# Allegro board MB1209_REVD_160617_FAB4.brd
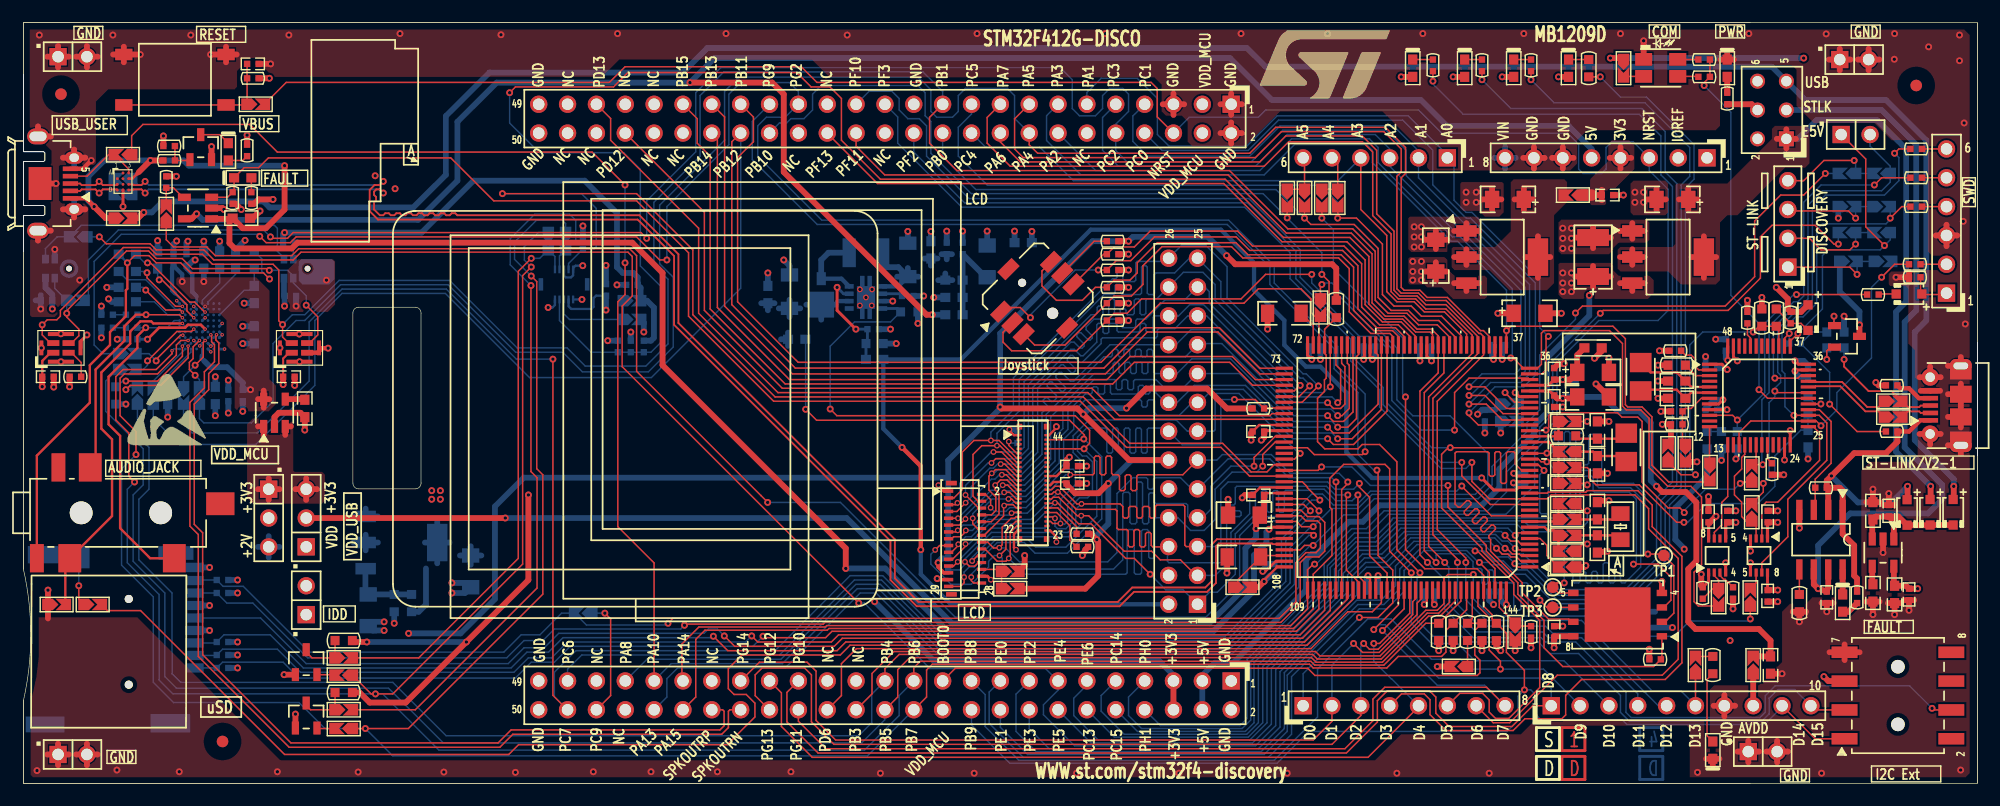
[diagram p0: board, top side]
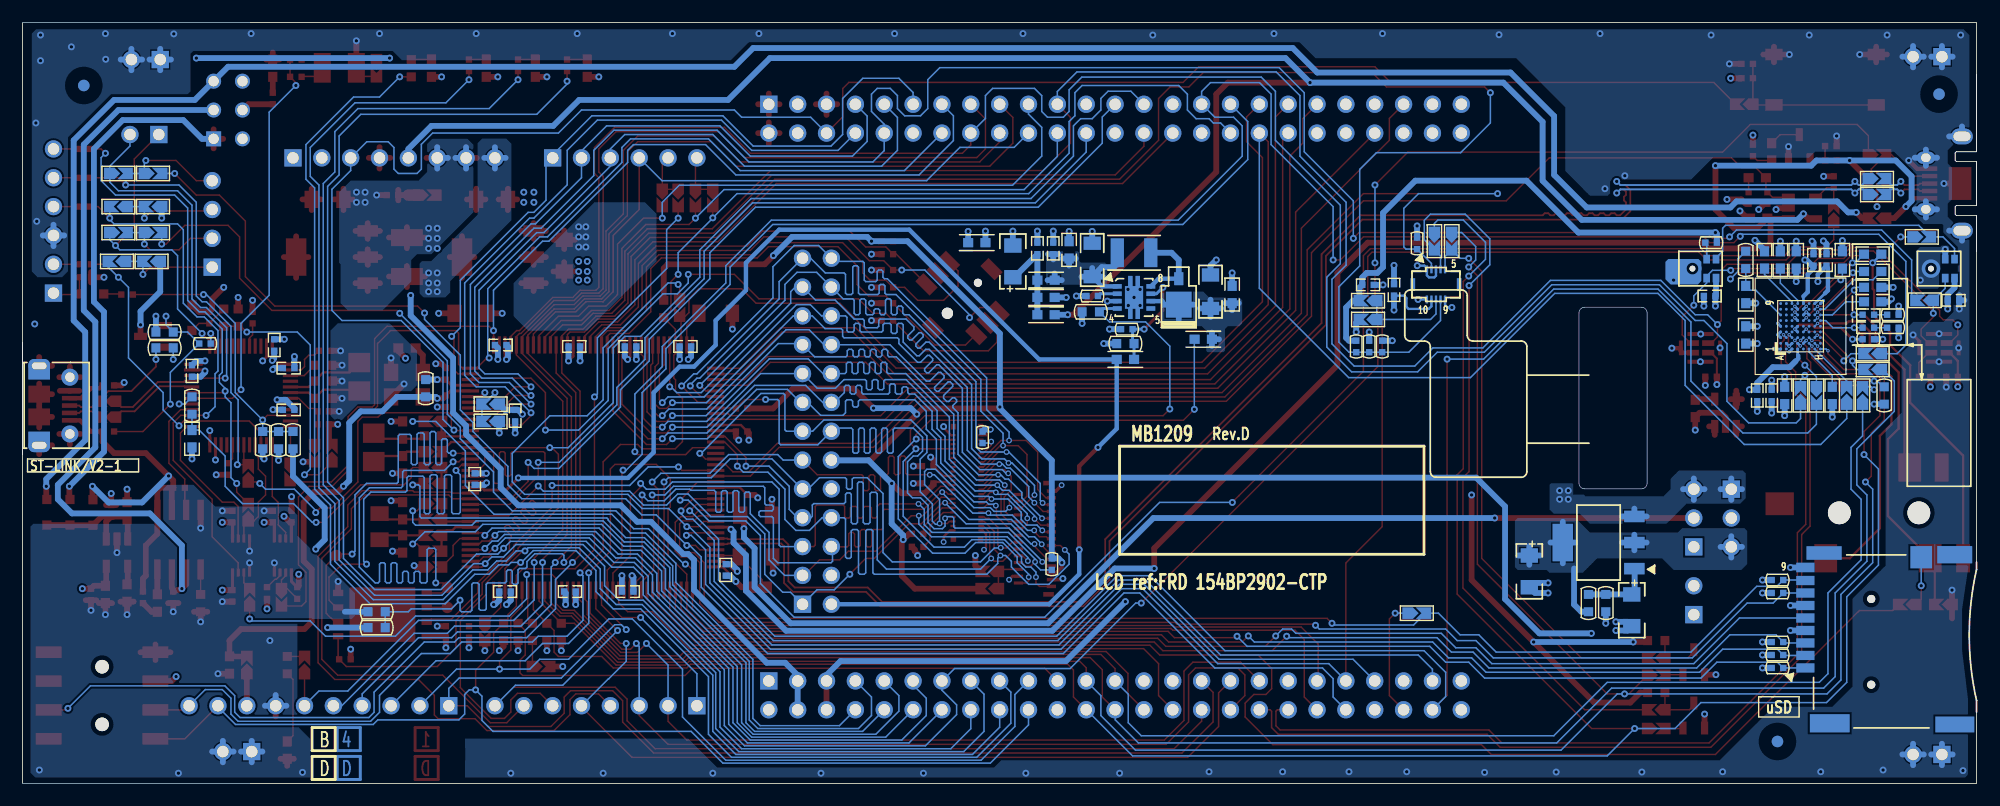
[diagram p1: board, bottom side, seen from below]

Outline 172 x 67 mm; copper layers: TOP, L2_VCC, L3_GND, BOTTOM. Coordinates in mm from the lower left corner of the outline.
Outline path: 0,67 0,55.63 ; 0,67 172,67 ; 0,67 0,55.63 ; 0,67 152,67 ; 0,55.63 1.79,55.63 ; 0,55.63 1.79,55.63 ; 172,67 172,0 ; 172,67 172,0 ; 1.79,55.63 1.89,55.53 ; 1.79,55.63 1.89,55.53 ; 0,54.78 0,50.88 ; 0,54.78 1.79,54.78 ; 0,54.78 0,50.88 ; 0,54.78 1.79,54.78 ; 0,50.88 1.79,50.88 ; 0,50.88 1.79,50.88 ; 1.79,54.78 1.89,54.88 ; 1.79,54.78 1.89,54.88 ; 1.79,50.88 1.89,50.78 ; 1.79,50.88 1.89,50.78 ; 0,50.03 0,46.86 ; 0,50.03 1.79,50.03 ; 0,50.03 0,46.86 ; 0,50.03 1.79,50.03 ; 0,46.86 0,18.85 ; 0,46.86 0,18.85 ; 1.79,50.03 1.89,50.13 ; 1.79,50.03 1.89,50.13 ; 0,18.85 arc(0.64,13.07) 0,7.29 ; 0,7.29 0,0 ; 0,7.29 0,0 ; 0,0 152,0 ; 0,0 172,0 ; 1.89,55.53 1.89,54.88 ; 1.89,55.53 1.89,54.88 ; 1.89,50.78 1.89,50.13 ; 1.89,50.78 1.89,50.13 ; 29,41.43 arc(29.15,41.79) 29.51,41.94 34.49,41.94 arc(34.85,41.79) 35,41.43 35,26.44 arc(34.85,26.08) 34.49,25.94 29.51,25.94 arc(29.15,26.08) 29,26.44 29,41.43

## Design rules (mm)
net group +3V3_ST_LINK: nets NETLD5_4 STM_RST
net group BOOT0: nets BOOT0 NETR68_2
net group MCO: nets MCO NETC69_1
net group MICROAB_N: nets MICROAB_N PA11
net group MICROAB_P: nets MICROAB_P PA12
net group NETC19_1: nets NETC19_1 PH1-OSC_OUT
net group NETC21_1: nets NETC21_1 PH0-OSC_IN
net group NETC23_1: nets NETC23_1 NETR54_2
net group NETC30_1: nets NETC30_1 NETR56_2
net group NETC46_1: nets NETC46_1 NETC46_2
net group NETC52_1: nets NETC52_1 NETC52_2
net group NETC53_1: nets NETC53_1 NETC53_2
net group NETCN3_4: nets NETCN3_4 PA10
net group NETCN4_2: nets NETCN4_2 T_JTCK
net group NETCN4_4: nets NETCN4_4 T_JTMS
net group NETCN4_5: nets NETCN4_5 T_NRST
net group NETCN4_6: nets NETCN4_6 T_SWO
net group NETCN6_2: nets NETCN6_2 STL_USB_DM
net group NETCN13_10: nets NETCN13_10 PD3
net group NETD3_2: nets NETD3_2 NETR33_1
net group NETLD1_2: nets NETLD1_2 PE0
net group NETLD2_2: nets NETLD2_2 PE1
net group NETLD3_2: nets NETLD3_2 PE2
net group NETLD4_2: nets NETLD4_2 PE3
net group NETLD9_1: nets NETLD9_1 NETR73_1
net group NETR16_2: nets NETR16_2 PG8
net group NETR58_2: nets NETR58_2 PA2
net group NETR86_1: nets NETR86_1 PG2
net group NETR88_1: nets NETR88_1 PB5
net group NETR93_1: nets NETR93_1 PA4
net group NETR94_2: nets NETR94_2 PC7
net group NETR95_1: nets NETR95_1 PB12
net group NETR96_1: nets NETR96_1 PB4
net group PA3: nets PA3 STLINK_TX
net group SPKOUTR: nets SPKOUTRN SPKOUTRP
net group +2V: nets NETC84_1
net group +5V: nets NETLD6_1
net group BLGND: nets LEDK NETL7_2 NETR47_1
net group LED_STLINK: nets LED_STLINK NETLD5_2 NETLD5_3
net group NETC39_1: nets NETC39_1 NETC39_2 NETC48_2
net group NETCN6_3: nets NETCN6_3 NETR85_2 STL_USB_DP
net group NETCN12_8: nets NETCN12_8 VDDA VREF+
net group NETLD10_1: nets NETLD10_1 NETR42_1 PWR_ENN USB_RENUMN VUSB_ST_LINK
net group NETR10_1: nets NETR10_1 PA9 U5V
net group QSPI: nets PG6

## Placement (name value [footprint] x y rotation side)
B1  TD-0341 [RESET_Black]  [PB10]  13.34 61.98 0 top
B2  MT008-A  [MT-008A]  89.26 42.75 315 top
C1  100nF  [0402C]  20.19 63.37 180 top
C2  100nF  [0402C]  139.45 51.82 0 top
C3  10uF  [TAN-A]  130.68 51.44 0 top
C4  10uF  [TAN-A]  145.16 51.44 0 top
C5  4.7uF  [0603C]  19.18 49.78 0 top
C6  10uF  [TAN-A]  124.33 46.48 270 top
C7  10uF(25V)  [TAN-B]  138.18 46.35 90 top
C8  2.2uF  [1206C]  111 41.4 180 top
C9  4.7uF  [TAN-A]  132.59 41.4 180 top
C10  1uF  [TAN-A]  138.18 36.2 180 top
C11  100nF  [0402C]  134.75 36.07 270 top
C12  100nF  [0402C]  2.16 35.81 0 top
C13  100nF  [0402C]  23.37 35.81 0 top
C14  10pF  [0603C]  145.54 35.43 180 top
C15  1uF  [TAN-A]  138.18 34.04 180 top
C16  10pF  [0603C]  145.54 33.91 180 top
C17  100nF  [0402C]  134.75 33.66 90 top
C18  100nF  [0402C]  145.54 32.77 0 top
C19  8.2pF  [0603C]  138.56 31.11 90 top
C20  100nF  [0402C]  108.71 30.99 180 top
C21  8.2pF  [0603C]  138.56 28.07 270 top
C22  100nF  [0402C]  108.71 25.4 0 top
C23  1.5pF  [0603C]  138.56 24 90 top
C24  1uF  [0603C]  162.81 24 270 top
C25  100nF  [0402C]  164.21 24 270 top
C26  1uF  [TAN-A]  107.44 23.62 0 top
C27  100nF  [0402C]  148.34 23.5 90 top
C28  100nF  [0402C]  149.99 23.5 90 top
C29  100nF  [0402C]  153.54 23.5 90 top
C30  1.5pF  [0603C]  138.56 21.08 270 top
C31  2.2uF  [1206C]  107.44 19.94 180 top
C32  100nF  [0402C]  158.75 16.38 90 top
C33  10nF  [0603C]  24.77 33.02 90 top
C34  1uF  [0603C]  164.72 16.64 270 top
C35  100nF  [0402C]  165.99 16.64 90 top
C36  100nF  [0402C]  153.54 16.51 90 top
C37  100nF  [0402C]  134.75 13.34 90 top
C38  [N_A]  [0603C]  153.8 10.41 90 top
C39  1uF  [0603C]  9.14 46.61 180 bottom
C40  4.7uF  [0603C]  18.67 46.1 270 bottom
C41  4.7uF  [0603C]  17.27 46.1 90 bottom
C42  4.7uF  [0603C]  15.88 46.1 90 bottom
C43  100nF  [0402C]  14.35 46.1 90 bottom
C44  100nF  [0402C]  13.21 46.1 90 bottom
C45  1uF  [0603C]  11.81 46.1 90 bottom
C46  2.2uF  [0603C]  9.14 45.09 0 bottom
C47  2.2uF  [0603C]  9.14 43.69 180 bottom
C48  4.7uF  [0603C]  20.32 43.05 90 bottom
C49  100nF  [0402C]  23.5 42.93 0 bottom
C50  100nF  [0402C]  2.03 42.55 180 bottom
C51  2.2uF  [0603C]  9.14 42.42 180 bottom
C52  100nF  [0402C]  9.53 41.27 180 bottom
C53  100nF  [0402C]  9.53 40.13 180 bottom
C54  4.7uF  [0603C]  20.32 39.5 90 bottom
C55  10uF  [TAN-A]  39.37 18.67 90 bottom
C56  100nF  [0402C]  149.86 38.61 270 bottom
C57  100nF  [0402C]  129.92 38.61 0 bottom
C58  100nF  [0402C]  123.44 38.48 0 bottom
C59  100nF  [0402C]  118.49 38.48 0 bottom
C60  100nF  [0402C]  113.67 38.48 0 bottom
C61  100nF  [0402C]  148.59 36.58 0 bottom
C62  100nF  [0402C]  157.1 36.32 90 bottom
C63  100nF  [0402C]  19.3 34.16 270 bottom
C64  100nF  [0402C]  18.03 34.16 270 bottom
C65  1uF  [0603C]  16.89 34.16 270 bottom
C66  1uF  [0603C]  12.7 34.16 270 bottom
C67  100nF  [0402C]  148.59 32.89 0 bottom
C68  100nF  [0402C]  128.65 32.38 270 bottom
C69  [N_A]  [0603C]  157.1 30.35 270 bottom
C70  100nF  [0402C]  92.33 27.94 0 top
C71  100nF  [0402C]  132.21 26.8 270 bottom
C72  100nF  [0402C]  92.33 26.42 0 top
C73  100nF  [0402C]  110.11 18.8 90 bottom
C74  100nF  [0402C]  129.54 16.89 180 bottom
C75  100nF  [0402C]  123.83 16.89 180 bottom
C76  100nF  [0402C]  118.75 16.89 180 bottom
C77  4.7uF_50V  [1206C]  67.44 43.31 90 bottom
C78  10nF  [0603C]  79.88 46.99 270 bottom
C79  10nF  [0603C]  65.53 43.05 270 bottom
C80  100nF  [0402C]  51.28 43.46 270 bottom
C81  4.7uF_10V  [1206C]  77.85 46.1 90 bottom
C82  10uF  [TAN-A]  84.84 45.97 270 bottom
C83  100nF  [0402C]  82.68 47.12 90 bottom
C84  10uF  [TAN-A]  30.35 15.24 90 bottom
C85  100nF  [0402C]  81.28 47.12 270 bottom
C86  10nF  [0603C]  162.81 16.76 90 top
C87  100nF  [0402C]  53.57 43.91 0 bottom
CN1  Header 6X1_Female  [HDR_1X6_2R54_W]  125.35 55.09 180 top
CN2  Header 8X1_Female  [HDR_1X8_2R54_W]  148.21 55.09 180 top
CN3  475900001  [MOLEX_47590001]  4.14 52.83 270 top
CN4  Header 6  [HDR_1X6_2R54_W]  169.29 43.18 90 top
CN5  Header 4  [HDR_1X4_2R54_W]  155.32 45.47 90 top
CN6  1050170001  [MICRO_USB_B_105017]  167.95 33.27 90 top
CN7  [N_A]  [HDR_2X13_2R54_W]  103.35 15.77 90 top
CN8  MOLEX 503304-4440  [MOLEX_503304-4440]  88.87 26.47 270 top
CN9  PJ3028B-3  [PJ3028B]  5.08 23.83 0 top
CN10  F206A-2_04MGF-A  [SSM-104-L-DH]  165.01 7.73 270 top
CN11  Header 8X1_Female  [HDR_1X8_2R54_W]  112.65 6.83 0 top
CN12  Header 10X1_Female  [HDR_1X10_2R54_W]  134.49 6.83 0 top
CN13  PJS008-2000  [MSD_PJS008_]  9.27 8.69 90 bottom
CN14  DF37NB-10DS-0.4V (5x)  [DF37NB-10DS-0R4V]  47.59 43.95 0 bottom
CN15  FH26-29S-0.3SHW  [FH26-29S-0R3SHW]  82.89 21.54 270 top
D1  EMIF02-USB03F2  [BGA11_0R5_1R57X2R07]  8.76 53.01 0 top
D2  BAT60JFILM  [SOD-323]  165.99 43.1 180 top
D3  BAT60JFILM  [SOD-323]  157.1 41.02 270 top
D4  BAT60JFILM  [SOD-323]  165.82 23.86 270 top
D5  BAT60JFILM  [SOD-323]  167.84 23.88 270 top
D6  BAT60JFILM  [SOD-323]  169.88 23.88 270 top
JP1  Jumper2  [SIP2]  3.05 64.01 0 top
JP2  Jumper2  [SIP2]  159.89 63.75 0 top
JP3  Header 3X2  [HDR_2X3_2R54]  155.19 56.77 90 top
JP4  [N_A]  [SIP2]  160.02 57.15 0 top
JP5  Jumper3  [SIP3]  21.59 25.91 270 top
JP6  Jumper3  [SIP3]  24.89 20.83 90 top
JP7  Jumper2  [SIP2]  24.89 14.86 90 top
JP8  Jumper2  [SIP2]  151.84 2.79 0 top
JP9  Jumper2  [SIP2]  3.05 2.54 0 top
L1  BEAD  [0603L]  138.18 38.35 180 top
L2  BEAD  [0603L]  68.07 39.12 0 bottom
L3  BEAD  [0603L]  81.92 44.32 180 bottom
L4  BEAD  [0603L]  81.92 41.27 0 bottom
L5  4.7uH(1A)  [1210L]  74.17 46.74 180 bottom
L6  BEAD  [0603L]  88.01 47.62 180 bottom
L7  BEAD  [0603L]  74.93 37.34 180 bottom
L8  BEAD  [0603L]  81.92 42.8 0 bottom
LD1  Green  [0603D]  136.02 62.99 90 top
LD2  Orange  [0603D]  131.19 62.99 90 top
LD3  Red  [0603D]  126.87 62.99 90 top
LD4  Blue  [0603D]  122.3 62.99 90 top
LD5  HSMF-A201-A00J1  [LED2_3528]  144.13 63.02 270 top
LD6  Green  [0603D]  149.99 62.99 90 top
LD7  Green  [0603D]  18.03 55.63 90 top
LD8  Red  [0603D]  19.3 53.34 180 top
LD9  Green  [0603D]  148.72 2.92 270 top
LD10  Red  [0603D]  160.15 15.88 90 top
NOREF  -  []  0 0 0 top
NOREF#2  -  []  125.35 55.09 0 top
NOREF#3  -  []  125.35 55.09 0 top
NOREF#4  -  []  148.21 55.09 0 top
NOREF#5  -  []  112.65 6.83 0 top
NOREF#6  -  []  157.35 6.83 90 top
NOREF#7  -  []  204.83 107.04 0 top
NOREF#8  Value  []  65.02 36.45 0 top
NOREF#9  -  [unnamed#2]  166.62 61.47 0 top
NOREF#10  -  []  106.32 9.02 0 top
NOREF#11  -  [unnamed#2]  17.53 3.68 0 top
NOREF#12  -  []  13.25 -95.16 0 top
NOREF#13  -  []  172 0 90 top
NOREF#14  -  []  0 67 0 top
NOREF#15  -  []  285.34 -119.84 90 top
NOREF#16  -  [unnamed#2]  3.3 60.71 0 top
NOREF#17  -  []  45.36 9.02 90 top
NOREF#18  -  []  8.89 110.11 0 top
NOREF#19  -  []  393.19 -138.3 0 top
NOREF#20  -  []  227 65.33 0 top
NOREF#21  -  []  282.8 -119.84 90 top
NOREF#22  -  []  130.43 6.83 0 top
NOREF#23  -  [unnamed#2]  17.53 3.68 180 bottom
NOREF#24  -  [unnamed#2]  166.62 61.47 180 bottom
NOREF#25  -  [unnamed#2]  3.3 60.71 180 bottom
P1  Header 25X2  [HDR_2X25_2R54_W]  106.32 59.82 180 top
P2  Header 25X2  [HDR_2X25_2R54_W]  106.32 9.02 180 top
R1  100  [0402R]  147.96 63.75 180 top
R2  680  [0402R]  124.08 63.25 90 top
R3  680  [0402R]  128.4 63.25 90 top
R4  680  [0402R]  132.72 63.25 90 top
R5  510  [0603R]  137.79 62.99 90 top
R6  0  [SB_0603]  140.86 62.99 90 top
R7  100  [0402R]  147.96 62.23 180 top
R8  100K  [0402R]  20.19 62.1 180 top
R9  820  [0402R]  149.99 60.33 270 top
R10  10K  [0402R]  12.83 56.13 180 top
R11  [N_A]  [0402R]  166.62 55.88 180 top
R12  330  [0402R]  19.68 55.75 270 top
R13  0  [SB_0603]  8.76 55.37 0 top
R14  47K  [0402R]  12.83 54.86 0 top
R15  22  [0402R]  166.62 53.34 180 top
R16  47K  [0402R]  12.57 52.96 270 top
R17  47K  [0402R]  18.41 51.56 90 top
R18  620  [0402R]  20.07 51.56 90 top
R19  22  [0402R]  166.62 50.8 180 top
R20  0  [SB_0603]  12.57 50.16 270 top
R21  0  [SB_0603]  8.76 49.78 180 top
R22  [N_A]  [0402R]  95.89 46.61 0 top
R23  100  [0402R]  95.89 47.75 180 top
R24  [N_A]  [0402R]  95.89 42.29 0 top
R25  22  [0402R]  166.5 45.72 180 top
R26  [N_A]  [0402R]  95.89 43.69 0 top
R27  10K  [0402R]  166.5 44.58 0 top
R28  [N_A]  [0402R]  95.89 45.21 0 top
R29  [N_A]  [0402R]  162.81 43.05 180 top
R30  [N_A]  [0402R]  95.89 40.77 180 top
R31  1K2  [0603R]  115.57 41.78 270 top
R32  100K  [0402R]  151.76 41.02 270 top
R33  4K7  [0603R]  153.03 41.02 90 top
R34  2K7  [0603R]  154.31 41.02 270 top
R35  [N_A]  [0402R]  155.57 41.02 270 top
R36  10K  [0402R]  145.41 38.1 0 top
R37  [N_A]  [0603R]  145.54 36.83 0 top
R38  10K  [0402R]  4.57 35.81 180 top
R39  0  [SB_0603]  164.59 33.66 180 top
R40  0  [SB_0603]  164.59 32.26 180 top
R41  100K  [0402R]  108.71 33.02 0 top
R42  10K  [0402R]  164.47 30.99 0 top
R43  10  [0603R]  77.98 41.53 180 bottom
R44  100K  [0402R]  145.54 31.62 180 top
R45  [N_A]  [0603R]  135.89 30.61 0 top
R46  [N_A]  [SB_0603]  135.89 29.21 0 top
R47  100K  [0402R]  77.85 42.93 0 bottom
R48  100K  [0402R]  153.92 27.69 90 top
R49  0  [SB_0603]  148.46 27.43 90 top
R50  100K  [0402R]  74.8 40.01 180 bottom
R51  10K  [0402R]  158.24 26.04 180 top
R52  [N_A]  [0603R]  74.93 38.73 180 bottom
R53  56  [0603R]  157.1 33.27 90 bottom
R54  0  [SB_0603]  135.89 23.24 180 top
R55  0  [0402R]  93.22 21.97 180 top
R56  0  [SB_0603]  135.89 21.84 180 top
R57  0  [0402R]  93.22 20.83 180 top
R58  100K  [0402R]  147.83 16.76 270 top
R59  100K  [0402R]  150.5 16.76 90 top
R60  820  [0402R]  161.42 16.38 90 top
R61  0  [SB_0603]  149.22 16.38 90 top
R62  2K7  [0603R]  156.34 15.88 270 top
R63  0  [SB_0603]  2.92 15.75 180 top
R64  0  [SB_0603]  6.1 15.75 180 top
R65  [N_A]  [0603R]  28.19 12.57 0 top
R66  1K2  [0603R]  124.59 13.34 90 top
R67  1K2  [0603R]  125.86 13.34 90 top
R68  510  [0603R]  127.13 13.34 270 top
R69  [N_A]  [0603R]  128.4 13.34 270 top
R70  1K2  [0603R]  129.67 13.34 90 top
R71  100K  [0402R]  132.72 13.34 90 top
R72  10K  [0402R]  143.64 10.92 180 top
R73  510  [0603R]  148.72 10.41 270 top
R74  0  [SB_0603]  152.27 10.41 270 top
R75  0  [SB_0603]  8.76 53.26 0 bottom
R76  0  [SB_0603]  8.76 51.87 0 bottom
R77  10K  [0402R]  23.37 47.62 0 bottom
R78  2K2  [0603R]  20.32 46.1 90 bottom
R79  20  [0402R]  7.37 41.27 180 bottom
R80  20  [0402R]  7.37 40.13 180 bottom
R81  36K  [0603R]  159.51 39.75 180 bottom
R82  10K  [0402R]  9.53 39.12 180 bottom
R83  100  [0402R]  155.96 38.73 180 bottom
R84  0  [0402R]  87.5 30.48 270 bottom
R85  1K5  [0603R]  159.51 38.35 180 bottom
R86  0  [SB_0603]  9.14 37.85 180 bottom
R87  [N_A]  [0603R]  28.19 8 0 top
R88  0  [SB_0603]  9.14 36.45 180 bottom
R89  100K  [0402R]  164.47 35.05 180 top
R90  120  [0603R]  34.16 15.88 90 bottom
R91  56  [0603R]  136.53 34.8 90 bottom
R92  68  [0603R]  32.64 15.88 270 bottom
R93  0  [SB_0603]  15.49 34.16 270 bottom
R94  0  [SB_0603]  14.1 34.16 90 bottom
R95  0  [SB_0603]  11.43 34.16 270 bottom
R96  0  [SB_0603]  10.03 34.16 270 bottom
R97  [N_A]  [0603R]  8.13 34.16 90 bottom
R98  100K  [0402R]  53.47 38.48 90 bottom
R99  100K  [0402R]  81.41 19.3 90 bottom
R100  [N_A]  [0603R]  140.84 13.72 180 bottom
R101  [N_A]  [0603R]  150.88 30.23 90 bottom
R102  4K7  [0603R]  149.48 30.23 90 bottom
R103  4K7  [0603R]  148.21 30.23 90 bottom
R104  [N_A]  [0603R]  140.84 15.11 180 bottom
R105  100K  [0402R]  49.25 47.56 90 bottom
R106  [N_A]  [0402R]  52.32 38.48 270 bottom
R107  [N_A]  [0402R]  54.61 38.48 270 bottom
R113  47K  [0402R]  17.53 17.91 180 bottom
R115  47K  [0402R]  17.53 16.76 180 bottom
R117  47K  [0402R]  17.53 12.45 180 bottom
R118  47K  [0402R]  17.53 11.3 180 bottom
R119  47K  [0402R]  17.53 10.16 180 bottom
SB1  Closed by default  [SB_0603]  20.45 59.82 180 top
SB2  Closed by default  [SB_0603]  160.53 53.72 0 bottom
SB3  Open by default  [SB_0603]  163.58 53.72 0 bottom
SB4  Closed by default  [SB_0603]  136.4 51.82 0 top
SB5  Open by default  [SB_0603]  111.25 51.56 90 top
SB6  Closed by default  [SB_0603]  112.78 51.56 90 top
SB7  Open by default  [SB_0603]  114.3 51.56 90 top
SB8  Closed by default  [SB_0603]  115.7 51.56 90 top
SB9  Open by default  [SB_0603]  160.53 50.8 180 bottom
SB10  Closed by default  [SB_0603]  163.58 50.8 180 bottom
SB11  Closed by default  [SB_0603]  160.53 48.51 0 bottom
SB12  Open by default  [SB_0603]  163.58 48.51 0 bottom
SB13  Open by default  [SB_0603]  160.66 45.97 180 bottom
SB14  Closed by default  [SB_0603]  163.7 45.97 180 bottom
SB15  Open by default  [SB_0603]  114.17 41.91 90 top
SB16  Closed by default  [SB_0603]  135.89 31.88 180 top
SB17  Closed by default  [SB_0603]  47.73 47.76 90 bottom
SB18  Open by default  [SB_0603]  144.78 29.08 270 top
SB19  Open by default  [SB_0603]  146.3 29.08 90 top
SB20  Closed by default  [SB_0603]  135.89 27.81 180 top
SB21  Closed by default  [SB_0603]  152.15 27.3 270 top
SB22  Open by default  [SB_0603]  135.89 26.42 180 top
SB23  Open by default  [SB_0603]  135.89 24.64 0 top
SB24  Closed by default  [SB_0603]  152.15 23.88 270 top
SB25  Open by default  [SB_0603]  135.89 20.45 0 top
SB26  Closed by default  [SB_0603]  135.89 19.05 0 top
SB27  Open by default  [SB_0603]  107.31 17.27 180 top
SB28  Closed by default  [SB_0603]  152.02 16.38 270 top
SB29  Open by default  [SB_0603]  131.32 13.34 90 top
SB30  Closed by default  [SB_0603]  147.19 10.41 270 top
SB31  Closed by default  [SB_0603]  126.36 10.29 0 top
SB32  Open by default  [SB_0603]  4.83 48.13 0 bottom
SB33  Closed by default  [SB_0603]  4.57 42.55 180 bottom
SB34  Closed by default  [SB_0603]  130.81 33.4 180 bottom
SB35  Open by default  [SB_0603]  130.81 31.88 180 bottom
SB36  Open by default  [SB_0603]  28.19 6.48 180 top
SB37  Open by default  [SB_0603]  28.19 4.83 0 top
SB38  Closed by default  [SB_0603]  46.2 47.76 90 bottom
SB39  Open by default  [SB_0603]  28.19 11.05 180 top
SB40  Open by default  [SB_0603]  28.19 9.53 0 top
SB41  Open by default  [SB_0603]  86.87 18.67 180 top
SB42  Closed by default  [SB_0603]  86.87 17.14 180 top
SB43  Open by default  [SB_0603]  49.28 14.99 0 bottom
SB44  Closed by default  [SB_0603]  53.57 42.51 180 bottom
SB45  Open by default  [SB_0603]  53.57 40.86 180 bottom
T1  9013-SOT23  [SOT-23]  15.61 56.04 0 top
T2  9013-SOT23  [SOT-23]  160.53 39.37 270 top
TP1  TP  [TP_C40]  144.4 20.07 0 top
TP2  TP  [TP_C40]  134.62 17.27 0 top
TP3  TP  [TP_C40]  134.62 15.49 0 top
TR1  BSN20BK  [SOT23-213]  24.89 5.97 270 top
TR2  BSN20BK  [SOT23-213]  24.89 10.67 270 top
U000  Value  []  53.86 32.99 0 top
U1  STMPS2141STR  [SOT23-5]  15.37 50.67 90 top
U2  LD1117S33TR  [SOT-223]  130.18 46.35 270 top
U3  LD1117S50TR  [SOT-223]  144.78 46.35 270 top
U4  -  [MP34DT01TR]  3.3 38.35 90 top
U5  -  [MP34DT01TR]  24.3 38.35 90 top
U6  STLINK  [LQFP48_0R5_9X9]  152.78 34.16 0 top
U7  STM32F412ZGT6U  [TQFP144_0R5_22X22]  121.79 27.81 180 top
U8  ST890CDR  [SOIC8_1R27_4R9X6]  158.24 21.46 180 top
U9  LD3985M33R  [SOT23-5]  163.7 20.32 180 top
U10  SN74LVC2T45DCUT  [USOP8_0R5_2X3R1]  149.1 20.07 0 top
U11  SN74LVC2T45DCUT  [USOP8_0R5_2X3R1]  152.78 20.07 180 top
U12  MICRON N25Q128A13EF840F  [DFN8_1R27_6X8_TP4R8X5R8]  140.34 14.86 90 top
U13  MP23DB01MM  [RHLGA5LD]  24.3 45.34 0 bottom
U14  MP23DB01MM  [RHLGA5LD]  3.3 45.34 0 bottom
U15  WM8994ECS_R  [BGA72_0R5_4R5X4]  15.49 40.26 90 bottom
U16  LD1117STR  [SOT-223]  33.27 21.21 90 bottom
U17  STLD40DPUR  [SON8_0R65_3X3]  74.17 42.8 270 bottom
U18  LD3985M18R  [SOT23-5]  22.1 32.64 0 top
X1  NX3225GD-8.00M  [XTAL_2SM_3R2X2R5]  142.37 35.81 90 top
X2  NX3225GD-8.00M  [XTAL_2SM_3R2X2R5]  141.1 29.59 270 top
X3  NDK NX3215SA-32.768KHZ-EXS00A-MU00525  [XTAL_2SM_3R2X1R5]  140.59 22.61 270 top
Z1  STPS1L40M  [DO-216AA]  70.23 44.45 90 bottom

## Library data of the parts
B1 = PB10
B2 = MT-008A
C1 C2 C11-C13 C17 C18 C20 C22 C25 C27-C29 C32 C36 C37 C43 C44 C49 C50 C52 C53 C56-C63 C67 C68 C70-C76 = 0402C: signal model: DEFAULT_CAPACITOR_100000pF_1_2
C3 C4 C6 C55 = TAN-A: signal model: DEFAULT_CAPACITOR_1e+07pF_1_2
C5 C40-C42 C48 C54 = 0603C: signal model: DEFAULT_CAPACITOR_4.7e+06pF_1_2
C7 = TAN-B
C8 C31 = 1206C: signal model: DEFAULT_CAPACITOR_2.2e+06pF_1_2
C9 = TAN-A: signal model: DEFAULT_CAPACITOR_4.7e+06pF_1_2
C10 C15 C26 = TAN-A: signal model: DEFAULT_CAPACITOR_1e+06pF_1_2
C14 C16 C19 C21 C69 = 0603C: signal model: DEFAULT_CAPACITOR_20pF_1_2
C23 C30 = 0603C: signal model: DEFAULT_CAPACITOR_1.5pF_1_2
C24 C34 C39 C45 C65 C66 = 0603C: signal model: DEFAULT_CAPACITOR_1e+06pF_1_2
C33 = 0603C: signal model: DEFAULT_CAPACITOR_10000pF_1_2
C35 C64 = 0402C: signal model: DEFAULT_CAPACITOR_100000pF_2_1
C38 C78 C79 C86 = 0603C
C46 C47 C51 = 0603C: signal model: DEFAULT_CAPACITOR_2.2e+06pF_1_2
C77 C81 = 1206C
C80 C83 C85 C87 = 0402C
C82 C84 = TAN-A
CN1 CN4 = HDR_1X6_2R54_W
CN2 CN11 = HDR_1X8_2R54_W
CN3 = MOLEX_47590001
CN5 = HDR_1X4_2R54_W
CN6 = MICRO_USB_B_105017
CN7 = HDR_2X13_2R54_W
CN8 = MOLEX_503304-4440
CN9 = PJ3028B
CN10 = SSM-104-L-DH
CN12 = HDR_1X10_2R54_W
CN13 = MSD_PJS008_
CN14 = DF37NB-10DS-0R4V
CN15 = FH26-29S-0R3SHW
D1 = BGA11_0R5_1R57X2R07
D2-D6 = SOD-323
JP1 JP2 JP4 JP7-JP9 = SIP2
JP3 = HDR_2X3_2R54
JP5 JP6 = SIP3
L1-L4 L6-L8 = 0603L
L5 = 1210L
LD1-LD4 LD6-LD10 = 0603D
LD5 = LED2_3528
P1 P2 = HDR_2X25_2R54_W
R1 R7 R23 R83 R98 = 0402R: signal model: DEFAULT_RESISTOR_100OHM_1_2
R2-R4 = 0402R: signal model: DEFAULT_RESISTOR_680OHM_1_2
R5 R68 R73 = 0603R: signal model: DEFAULT_RESISTOR_510OHM_1_2
R6 R13 R20 R21 R39 R40 R46 R49 R54 R56 R61 R63 R64 R74-R76 R86 R88 R93-R96 = SB_0603: signal model: DEFAULT_RESISTOR_0.001OHM_1_2
R8 R32 R41 R44 R48 R58-R60 R71 R89 = 0402R: signal model: DEFAULT_RESISTOR_100000OHM_1_2
R9 = 0402R: signal model: DEFAULT_RESISTOR_820OHM_1_2
R10 R14 R16 R17 R113 R115 R117-R119 = 0402R: signal model: DEFAULT_RESISTOR_47000OHM_1_2
R11 R15 R19 R25 = 0402R: signal model: DEFAULT_RESISTOR_22OHM_1_2
R12 = 0402R: signal model: DEFAULT_RESISTOR_330OHM_1_2
R18 = 0402R: signal model: DEFAULT_RESISTOR_620OHM_1_2
R22 R24 R26-R28 R30 R36 R38 R42 R51 R72 R77 R82 = 0402R: signal model: DEFAULT_RESISTOR_10000OHM_1_2
R29 R35 R55 R57 R84 R105-R107 = 0402R
R31 R66 R67 R70 = 0603R: signal model: DEFAULT_RESISTOR_1200OHM_1_2
R33 R102 R103 = 0603R: signal model: DEFAULT_RESISTOR_4700OHM_1_2
R34 R62 = 0603R: signal model: DEFAULT_RESISTOR_2700OHM_1_2
R37 R69 R97 R100 R101 R104 = 0603R
R43 R91 = 0603R: signal model: DEFAULT_RESISTOR_56OHM_1_2
R45 = 0603R: signal model: DEFAULT_RESISTOR_220OHM_1_2
R47 R50 R99 = 0402R: signal model: DEFAULT_RESISTOR_0.001OHM_1_2
R52 R53 R87 R90 R92 = 0603R: signal model: DEFAULT_RESISTOR_0.001OHM_1_2
R65 = 0603R: signal model: DEFAULT_RESISTOR_100000OHM_1_2
R78 = 0603R: signal model: DEFAULT_RESISTOR_2200OHM_1_2
R79 R80 = 0402R: signal model: DEFAULT_RESISTOR_20OHM_1_2
R81 = 0603R: signal model: DEFAULT_RESISTOR_36000OHM_1_2
R85 = 0603R: signal model: DEFAULT_RESISTOR_1500OHM_1_2
SB1-SB45 = SB_0603
T1 T2 = SOT-23
TP1-TP3 = TP_C40
TR1 TR2 = SOT23-213
U1 U9 U18 = SOT23-5
U2 U3 U16 = SOT-223
U4 U5 = MP34DT01TR
U6 = LQFP48_0R5_9X9
U7 = TQFP144_0R5_22X22
U8 = SOIC8_1R27_4R9X6
U10 U11 = USOP8_0R5_2X3R1
U12 = DFN8_1R27_6X8_TP4R8X5R8
U13 U14 = RHLGA5LD
U15 = BGA72_0R5_4R5X4
U17 = SON8_0R65_3X3
X1 X2 = XTAL_2SM_3R2X2R5
X3 = XTAL_2SM_3R2X1R5
Z1 = DO-216AA

## Footprints (pads in the part's own frame, mm; a bottom-side part is the same pattern mirrored in y, then rotated)
0402C
  rect 0.559x0.559 smd: 1(-0.508,0) 2(0.508,0)
0402R
  rect 0.559x0.559 smd: 1(-0.508,0) 2(0.508,0)
0603C
  rect 0.889x0.813 smd: 1(-0.762,0) 2(0.762,0)
0603D
  rect 0.889x0.813 smd: 1(-0.762,0) 2(0.762,0)
0603L
  rect 0.889x0.813 smd: 1(-0.762,0) 2(0.762,0)
0603R
  rect 0.787x0.813 smd: 1(-0.762,0) 2(0.762,0)
1206C
  rect 1.168x1.524 smd: 1(-1.473,0) 2(1.473,0)
1210L
  rect 1.168x2.54 smd: 1(-1.473,0) 2(1.473,0)
BGA11_0R5_1R57X2R07
  round 0.249 smd: A2(0,0.75) A3(0.5,0.75) B1(-0.5,0.25) B2(0,0.25) B3(0.5,0.25) C1(-0.5,-0.25) C2(0,-0.25) C3(0.5,-0.25) D1(-0.5,-0.75) D2(0,-0.75) D3(0.5,-0.75)
BGA72_0R5_4R5X4
  round 0.249 smd: A1(-2,1.75) A2(-1.5,1.75) A3(-1,1.75) A4(-0.5,1.75) A5(0,1.75) A6(0.5,1.75) A7(1,1.75) A8(1.5,1.75) A9(2,1.75) B1(-2,1.25) B2(-1.5,1.25) B3(-1,1.25) B4(-0.5,1.25) B5(0,1.25) B6(0.5,1.25) B7(1,1.25) B8(1.5,1.25) B9(2,1.25) C1(-2,0.75) C2(-1.5,0.75) C3(-1,0.75) C4(-0.5,0.75) C5(0,0.75) C6(0.5,0.75) C7(1,0.75) C8(1.5,0.75) C9(2,0.75) D1(-2,0.25) D2(-1.5,0.25) D3(-1,0.25) D4(-0.5,0.25) D5(0,0.25) D6(0.5,0.25) D7(1,0.25) D8(1.5,0.25) D9(2,0.25) E1(-2,-0.25) E2(-1.5,-0.25) E3(-1,-0.25) E4(-0.5,-0.25) E5(0,-0.25) E6(0.5,-0.25) E7(1,-0.25) E8(1.5,-0.25) E9(2,-0.25) F1(-2,-0.75) F2(-1.5,-0.75) F3(-1,-0.75) F4(-0.5,-0.75) F5(0,-0.75) F6(0.5,-0.75) F7(1,-0.75) F8(1.5,-0.75) F9(2,-0.75) G1(-2,-1.25) G2(-1.5,-1.25) G3(-1,-1.25) G4(-0.5,-1.25) G5(0,-1.25) G6(0.5,-1.25) G7(1,-1.25) G8(1.5,-1.25) G9(2,-1.25) H1(-2,-1.75) H2(-1.5,-1.75) H3(-1,-1.75) H4(-0.5,-1.75) H5(0,-1.75) H6(0.5,-1.75) H7(1,-1.75) H8(1.5,-1.75) H9(2,-1.75)
DF37NB-10DS-0R4V
  rect 0.203x0.686 smd: 1(0.8,-1.325) 2(0.4,-1.325) 3(0,-1.325) 4(-0.4,-1.325) 5(-0.8,-1.325) 6(-0.8,1.325) 7(-0.4,1.325) 8(0,1.325) 9(0.4,1.325) 10(0.8,1.325)
  rect 0.406x1.092 smd: 11(-2.04,0) 12(2.04,0)
DFN8_1R27_6X8_TP4R8X5R8
  rect 0.559x0.914 smd: 1(-1.905,-3.9) 2(-0.635,-3.9) 3(0.635,-3.9) 4(1.905,-3.9) 5(1.905,3.9) 6(0.635,3.9) 7(-0.635,3.9) 8(-1.905,3.9)
  rect 4.801x5.791 smd: 9(0,0)
DO-216AA
  rect 1.143x0.813 smd: 1(0,0)
  rect 2.286x2.261 smd: 2(-2.286,0)
FH26-29S-0R3SHW
  rect 0.406x0.94 smd: (-4.9,-1.2) (4.9,-1.2)
  rect 0.305x0.813 smd: 1(-4.2,-1.45) 3(-3.6,-1.45) 5(-3,-1.45) 7(-2.4,-1.45) 9(-1.8,-1.45) 11(-1.2,-1.45) 13(-0.6,-1.45) 15(0,-1.45) 17(0.6,-1.45) 19(1.2,-1.45) 21(1.8,-1.45) 23(2.4,-1.45) 25(3,-1.45) 27(3.6,-1.45) 29(4.2,-1.45)
  rect 0.279x0.813 smd: 2(-3.9,1.45) 4(-3.3,1.45) 6(-2.7,1.45) 8(-2.1,1.45) 10(-1.5,1.45) 12(-0.9,1.45) 14(-0.3,1.45) 16(0.3,1.45) 18(0.9,1.45) 20(1.5,1.45) 22(2.1,1.45) 24(2.7,1.45) 26(3.3,1.45) 28(3.9,1.45)
HDR_1X4_2R54_W
  rect 1.524x1.524 hole 1.016: 1(0,0)
  round 1.524 hole 1.016: 2(2.54,0) 3(5.08,0) 4(7.62,0)
HDR_1X6_2R54_W
  rect 1.524x1.524 hole 1.016: 1(0,0)
  round 1.524 hole 1.016: 2(2.54,0) 3(5.08,0) 4(7.62,0) 5(10.16,0) 6(12.7,0)
HDR_1X8_2R54_W
  rect 1.524x1.524 hole 1.016: 1(0,0)
  round 1.524 hole 1.016: 2(2.54,0) 3(5.08,0) 4(7.62,0) 5(10.16,0) 6(12.7,0) 7(15.24,0) 8(17.78,0)
HDR_1X10_2R54_W
  rect 1.524x1.524 hole 1.016: 1(0,0)
  round 1.524 hole 1.016: 2(2.54,0) 3(5.08,0) 4(7.62,0) 5(10.16,0) 6(12.7,0) 7(15.24,0) 8(17.78,0) 9(20.32,0) 10(22.86,0)
HDR_2X3_2R54
  rect 1.321x1.321 hole 0.914: 1(0,0)
  round 1.321 hole 0.914: 2(0,2.54) 3(2.54,0) 4(2.54,2.54) 5(5.08,0) 6(5.08,2.54)
HDR_2X13_2R54_W
  rect 1.524x1.524 hole 1.016: 1(0,0)
  round 1.524 hole 1.016: 2(0,2.54) 3(2.54,0) 4(2.54,2.54) 5(5.08,0) 6(5.08,2.54) 7(7.62,0) 8(7.62,2.54) 9(10.16,0) 10(10.16,2.54) 11(12.7,0) 12(12.7,2.54) 13(15.24,0) 14(15.24,2.54) 15(17.78,0) 16(17.78,2.54) 17(20.32,0) 18(20.32,2.54) 19(22.86,0) 20(22.86,2.54) 21(25.4,0) 22(25.4,2.54) 23(27.94,0) 24(27.94,2.54) 25(30.48,0) 26(30.48,2.54)
HDR_2X25_2R54_W
  rect 1.524x1.524 hole 1.016: 1(0,0)
  round 1.524 hole 1.016: 2(0,2.54) 3(2.54,0) 4(2.54,2.54) 5(5.08,0) 6(5.08,2.54) 7(7.62,0) 8(7.62,2.54) 9(10.16,0) 10(10.16,2.54) 11(12.7,0) 12(12.7,2.54) 13(15.24,0) 14(15.24,2.54) 15(17.78,0) 16(17.78,2.54) 17(20.32,0) 18(20.32,2.54) 19(22.86,0) 20(22.86,2.54) 21(25.4,0) 22(25.4,2.54) 23(27.94,0) 24(27.94,2.54) 25(30.48,0) 26(30.48,2.54) 27(33.02,0) 28(33.02,2.54) 29(35.56,0) 30(35.56,2.54) 31(38.1,0) 32(38.1,2.54) 33(40.64,0) 34(40.64,2.54) 35(43.18,0) 36(43.18,2.54) 37(45.72,0) 38(45.72,2.54) 39(48.26,0) 40(48.26,2.54) 41(50.8,0) 42(50.8,2.54) 43(53.34,0) 44(53.34,2.54) 45(55.88,0) 46(55.88,2.54) 47(58.42,0) 48(58.42,2.54) 49(60.96,0) 50(60.96,2.54)